# Altium PCB FIT_TDC_ADC.PcbDoc (part 2 of 10)
Units mm, origin at the board's own origin, x right, y up, seen from the top; angles counter-clockwise.
Board outline 89.38 x 69 mm, 8 copper layers (Top Layer, GND1, SIGNAL2, POWER3, POWER4, SIGNAL5, GND6, Bottom Layer), stack 1.028 mm thick; 495 components, 463 nets, 2013 pads, 1239 vias.
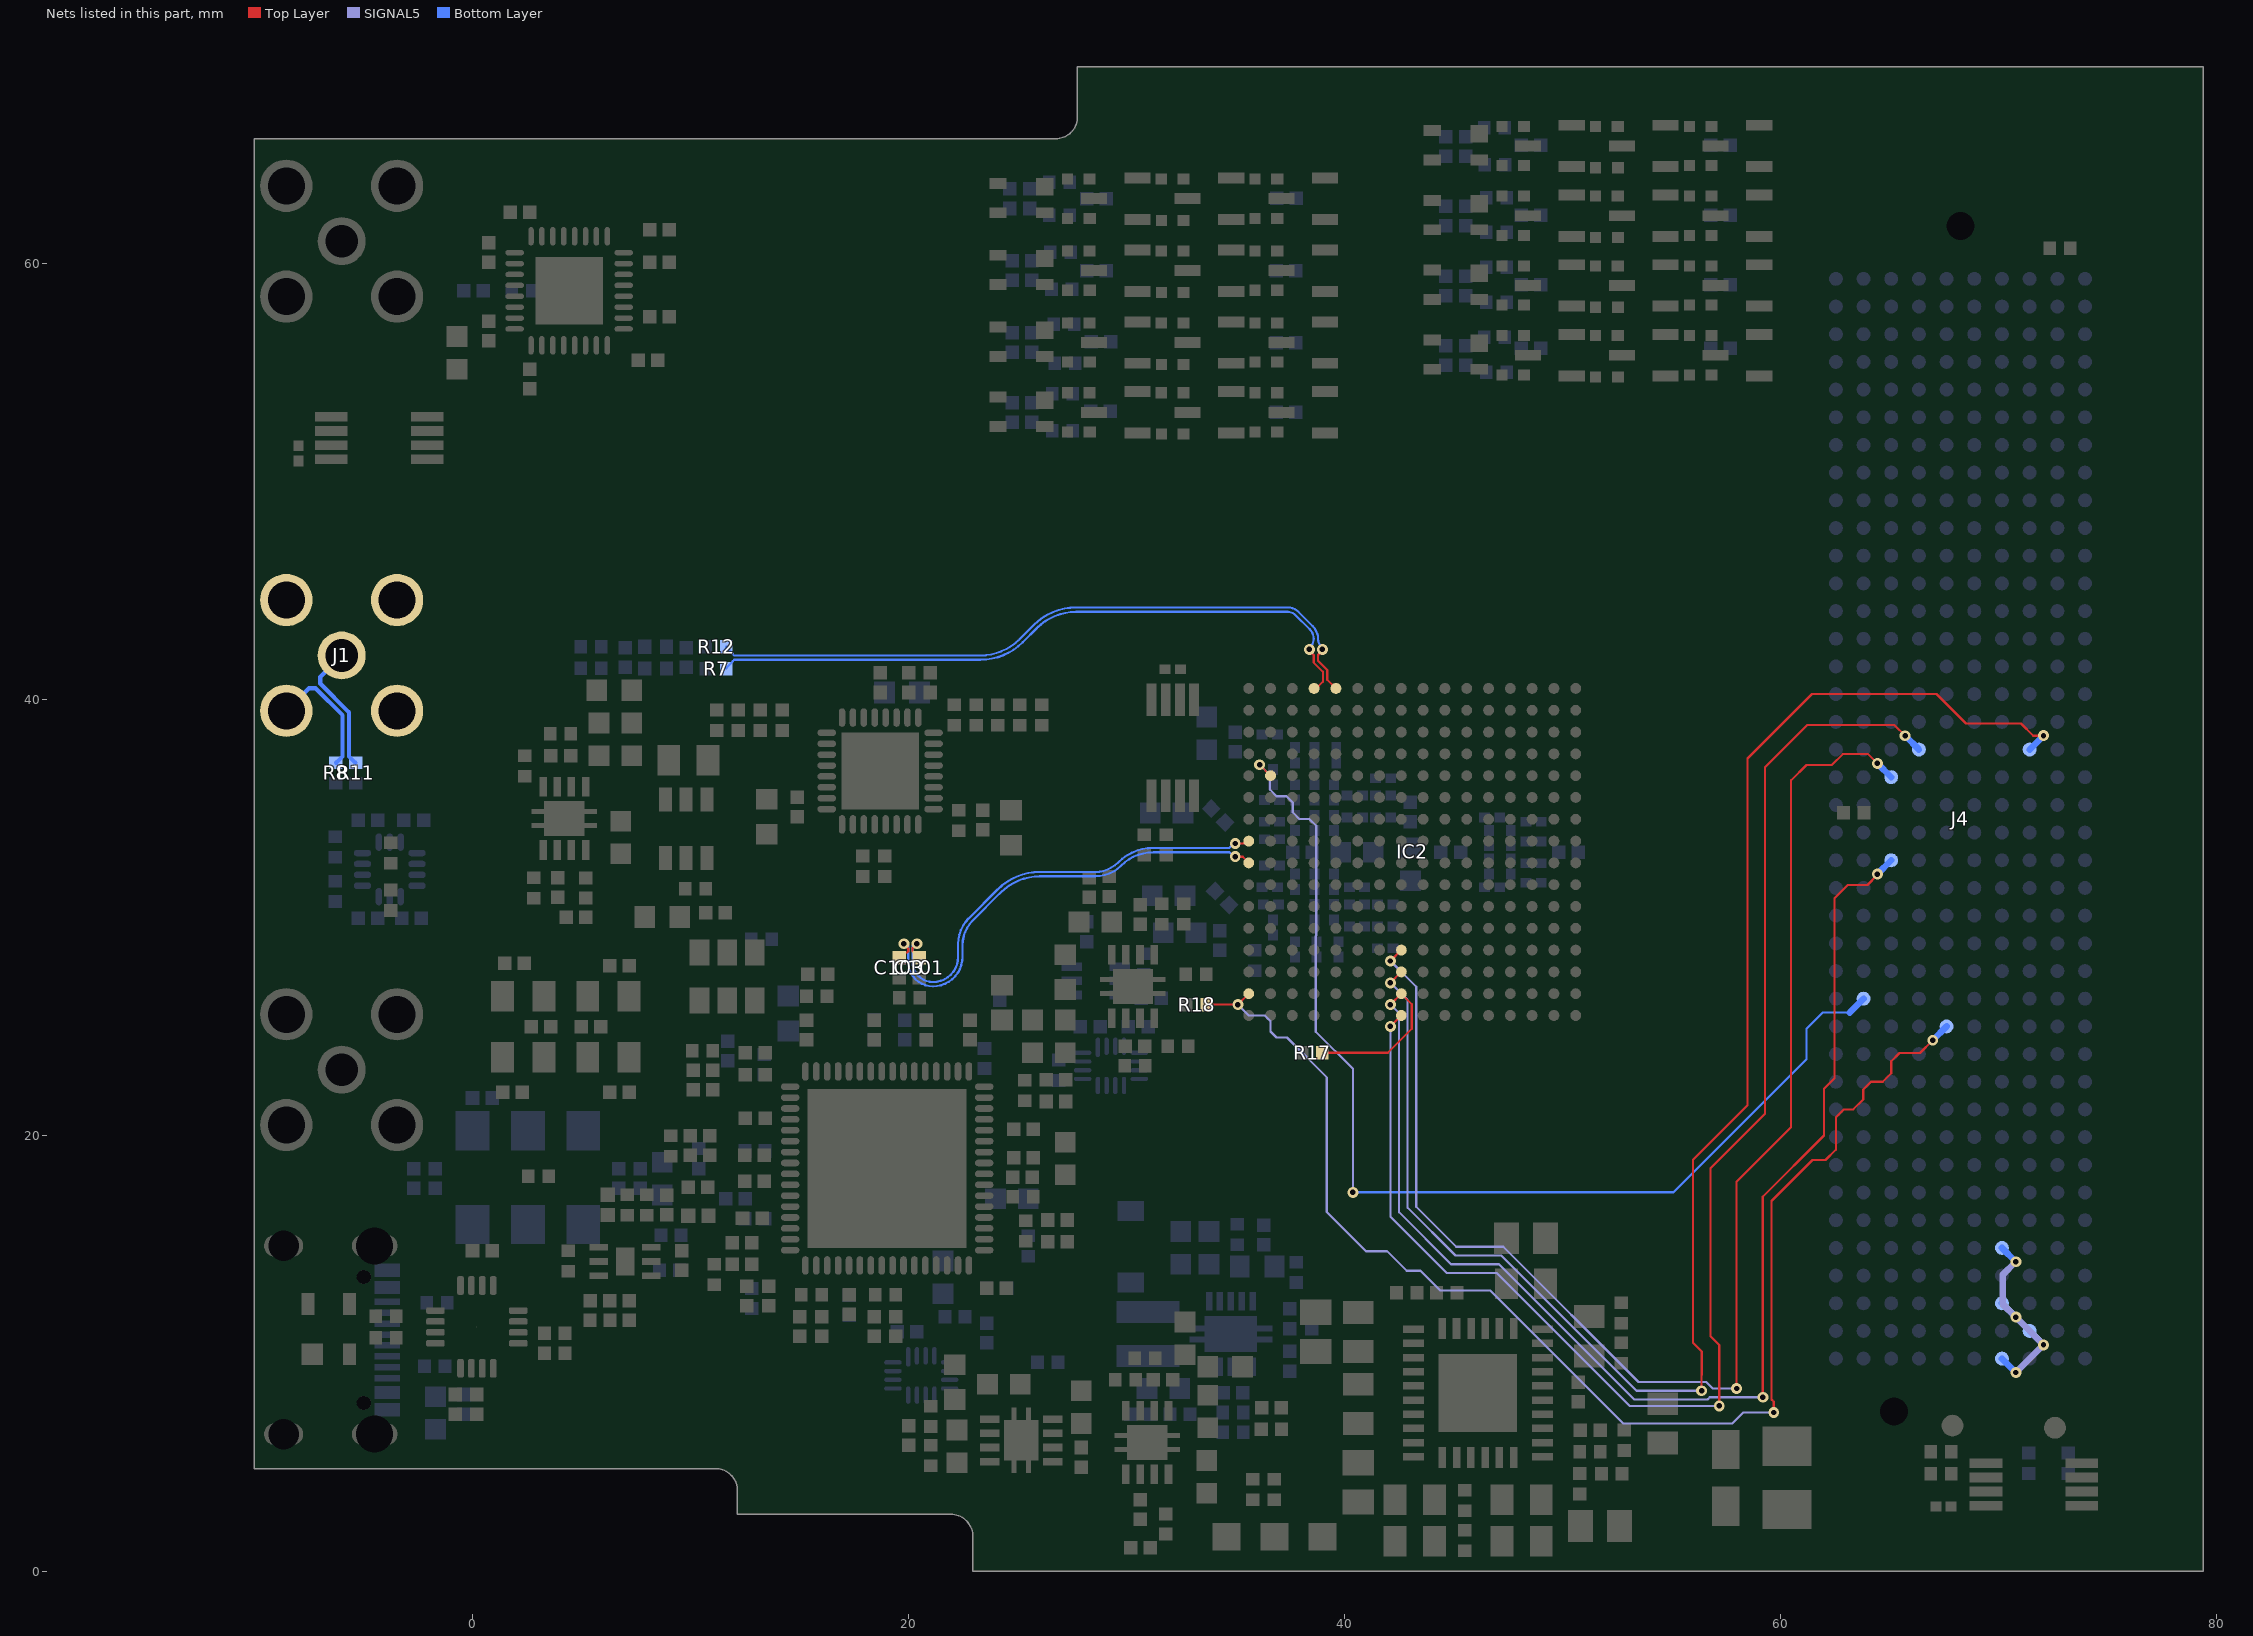
[diagram p8: the nets of this part, all layers, seen from the top]

## Footprints (in the part's own frame and the unit in brackets; to place one, negate y for a bottom-side part, rotate by r counter-clockwise, add the part's x,y. Pads: shape width x height; smd on the part's side, far side on the other; paste and mask are expansions set on the pad) (continued)
CAPC1608X87N [mm] "Chip Capacitor, Body 1.6x0.8mm IPC Medium Density"
  rect 0.95x1 smd: 1(-0.8,0) 2(0.8,0)
  body extent -0.87,-0.47 0.88,0.48, height 0.87
CAPC1608X90N [mm] "Chip Capacitor, Body 1.6x0.8mm IPC Medium Density"
  rect 0.95x0.95 smd: 1(-0.75,0) 2(0.75,0)
  body extent -0.85,-0.45 0.85,0.45, height 0.9
CAPC2012X135N [mm] "Chip Capacitor, Body 2.0x1.25mm, IPC Medium Density"
  rect 1.05x1.4 smd: 1(-0.9,0) 2(0.9,0)
  silkscreen extent 0,-0.58 0,0.58, body extent -1.05,-0.67 1.05,0.68, height 1.25
CAPMP3216X180N [mm] "Capacitor, Polarized, Molded  Body 3.2x1.6mm, IPC Medium Density"
  rect 1.8x1.25 smd: 1(-1.3,0) 2(1.3,0)
  silkscreen extent -2.4,-0.7 0,1.25, body extent -1.7,-0.9 1.7,0.9, height 1.6
CAPMP3528X210N [mm] "Capacitor, Polarized, Molded  Body 3.5x2.8mm, IPC Medium Density"
  rect 1.8x2.25 smd: 1(-1.45,0) 2(1.45,0)
  silkscreen extent -2.52,-1.5 1.85,1.73, body extent -1.85,-1.5 1.85,1.5, height 2.1
FP-USB4105-GF-A-MFG [mm]
  rrect100% 1x2.1 hole 1.7 slot 0.6 at 0 deg paste-2539.97 mask+0: 1(-4.32,3.015) 2(4.32,3.015)
  rrect100% 1x1.8 hole 1.4 slot 0.6 at 0 deg paste-2539.97 mask+0: 3(-4.32,-1.165) 4(4.32,-1.165)
  rect 0.6x1.15 smd paste+0 mask+0: A1-B12(-3.2,3.59) A4-B9(-2.4,3.59) B1-A12(3.2,3.59) B4-A9(2.4,3.59)
  rect 0.3x1.15 smd paste+0 mask+0: A5(-1.25,3.59) A6(-0.25,3.59) A7(0.25,3.59) A8(1.25,3.59) B5(1.75,3.59) B6(0.75,3.59) B7(-0.75,3.59) B8(-1.75,3.59)
  round 0.65 hole 0.65 unplated paste-2539.97 mask+0: ""(-2.89,2.515) ""(2.89,2.515)
  silkscreen extent -4.86,-3.84 4.86,4.84, body extent -4.79,-3.76 4.79,3.77, height 3.26
IND_COILCRAFT_EPL3015 [mm] "SMD Inductor  Body Width 3.2mm Body Lenght 3.2mm Height 1.55mm, EPL3015 Series"
  rect 1x2.9 smd: 1(-1.015,0) 2(1.015,0)
  silkscreen extent -0.22,-1.6 0.21,1.6, body extent -1.6,-1.6 1.6,1.6, height 1.55
IND_MURATA_LQW15AN_00 [mm] "SMT inductor 0402, Body Width 0.50mm Body Lenght 1.00mm Height 0.6mm"
  rect 0.6x0.65 smd: 1(-0.5,0) 2(0.5,0)
  body extent -0.5,-0.25 0.5,0.25, height 0.6
INDC1005X55N [mm] "Chip Inductor, 2-Leads, EIA 0402, Metric 1005, Body 1x0.5mm, 0402IPC Medium Density"
  rect 0.6x0.62 smd: 1(-0.46,0) 2(0.46,0)
  body extent -0.52,-0.27 0.53,0.28, height 0.55
INDC1608X95N [mm] "Chip Inductor, 2-Leads, EIA 0603, Metric 1608, Body 1.6x0.8mm, IPC Medium Density"
  rect 0.95x1 smd: 1(-0.8,0) 2(0.8,0)
  body extent -0.87,-0.47 0.88,0.48, height 0.95
INDC2012X105N [mm] "Chip Inductor, EIA 0805, Metric 2012, Body 2.0x1.25mm, IPC Medium Density"
  rect 1.15x1.45 smd: 1(-0.9,0) 2(0.9,0)
  silkscreen extent 0,-0.6 0,0.6, body extent -1,-0.62 1,0.63, height 1.03
INDC2012X110N [mm] "Chip Inductor, EIA 0805, Metric 2012, Body 2.0x1.2mm, IPC Medium Density"
  rect 1.05x1.4 smd: 1(-0.95,0) 2(0.95,0)
  silkscreen extent 0,-0.53 0,0.53, body extent -1,-0.62 1,0.63, height 1.1
MPS_MPM54304GMN [mm] "MPS LGA-33 Case, 0.65mm Pitch, Rect. ; 32 Pin, 7.00mm L X 7.00mm W X 2.10mm H body (w/Thermal Tab 3.55 X 3.55mm)"
  rect 0.975x0.35 smd paste-2539.97 mask-0.025: 1(-2.963,1.633) 2(-2.963,0.983) 3(-2.963,0.325) 4(-2.963,-0.313) 5(-2.963,-0.983) 6(-2.963,-1.633) 17(2.963,-1.633) 18(2.963,-0.975) 19(2.963,-0.325) 20(2.963,0.325) 21(2.963,0.983) 22(2.963,1.633)
  rect 0.35x0.975 smd paste-2539.97 mask-0.025: 7(-2.925,-2.963) 8(-2.275,-2.963) 9(-1.625,-2.963) 10(-0.975,-2.963) 11(-0.325,-2.963) 12(0.325,-2.963) 13(0.975,-2.963) 14(1.625,-2.963) 15(2.275,-2.963) 16(2.925,-2.963) 23(2.925,2.963) 24(2.275,2.963) 25(1.625,2.963) 26(0.975,2.963) 27(0.325,2.963) 28(-0.325,2.963) 29(-0.975,2.963) 30(-1.625,2.963) 31(-2.275,2.963) 32(-2.925,2.963)
  rect 3.6x3.6 smd paste-2539.97 mask-0.25: 33(0,0)
  silkscreen extent -4.15,-3.5 3.5,3.5, body extent -3.5,-3.5 3.5,3.5, height 2.1
OSC_SI-TIME_SIT9121-C [mm] "SiT9121 Series Package C, Oscillators, Version 3.2mmx5mm, Pitch 1.27mm; 6 Pin"
  rect 1.2x0.9 smd: 1(-1.1,1.27) 2(-1.1,0) 3(-1.1,-1.27) 4(1.1,-1.27) 5(1.1,0) 6(1.1,1.27)
  silkscreen extent -2.44,-2.55 1.65,2.55, body extent -1.65,-2.55 1.65,2.55, height 0.8
OSCSC254P500X700X190-6N [mm] "Oscillator, side concave; 2.54mm pitch; 6 pin, 5.00mm L X 7.00mm W X 1.90mm H, IPC Medium Density"
  rect 1.8x1.55 smd: 1(-2.15,2.54) 2(-2.15,0) 3(-2.15,-2.54) 4(2.15,-2.54) 5(2.15,0) 6(2.15,2.54)
  silkscreen extent -3.02,-3.5 0.9,4.32, body extent -2.5,-3.5 2.5,3.5, height 2
QFN40P180X260X55-16N [mm] "QFN, 0.40mm Pitch, Rect.; 16 Pin, 2.60mm L X 1.80mm W X 0.55mm H Body, IPC Medium Density"
  oval 0.9x0.2 smd: 1(-0.85,0.6)
  oval 0.8x0.2 smd: 2(-0.9,0.2) 3(-0.9,-0.2) 4(-0.9,-0.6) 9(0.9,-0.6) 10(0.9,-0.2) 11(0.9,0.2) 12(0.9,0.6)
  oval 0.2x0.8 smd: 5(-0.6,-1.3) 6(-0.2,-1.3) 7(0.2,-1.3) 8(0.6,-1.3) 13(0.6,1.3) 14(0.2,1.3) 15(-0.2,1.3) 16(-0.6,1.3)
  silkscreen extent -2.02,0.47 -1.78,0.72, body extent -0.9,-1.3 0.9,1.3, height 0.55
QFN50P250X250X60-14N [mm] "QFN, 0.50mm Pitch, Square, 14 pin, 2.50mm L X 2.50mm W X 0.60mm H body, IPC Medium Density"
  oval 0.8x0.3 smd: 1(-1.25,0.5) 2(-1.25,0) 3(-1.25,-0.5) 8(1.25,-0.5) 9(1.25,0) 10(1.25,0.5)
  oval 0.3x0.8 smd: 4(-0.75,-1.25) 5(-0.25,-1.25) 6(0.25,-1.25) 7(0.75,-1.25) 11(0.75,1.25) 12(0.25,1.25) 13(-0.25,1.25) 14(-0.75,1.25)
  silkscreen extent -2.37,-1.25 1.25,1.25, body extent -1.3,-1.3 1.3,1.3, height 0.6
QFN50P400X400X80_HS-17N [mm] "QFN, 16-Leads, Body 4,00x4,00mm, Pitch 0,50mm, Thermal Pad 2,08x2,08mm, IPC Medium Density"
  rrect50% 0.85x0.3 smd mask+0.05: 1(-1.9,0.75) 2(-1.9,0.25) 3(-1.9,-0.25) 4(-1.9,-0.75) 9(1.9,-0.75) 10(1.9,-0.25) 11(1.9,0.25) 12(1.9,0.75)
  rrect50% 0.3x0.85 smd mask+0.05: 5(-0.75,-1.9) 6(-0.25,-1.9) 7(0.25,-1.9) 8(0.75,-1.9) 13(0.75,1.9) 14(0.25,1.9) 15(-0.25,1.9) 16(-0.75,1.9)
  round 0.025 smd paste-0.4 mask+0.05: 17(0,0)
  Top Layer region: 1.04,-1.04 -1.04,-1.04 -1.04,0.832 -0.832,1.04 1.04,1.04
  silkscreen extent -2.92,-2.15 2.15,2.15, body extent -2.01,-2.01 2.01,2.01, height 0.8
QFN50P500X500X80-33N-S355 [mm] "QFN, (MO-220WHHD-X) 0.50mm Pitch, Square; 8 pin X 8 pin, 5mm X 5mm X 0.8mm H body (w/thermal tab 3.55 X 3.55mm),  IPC Medium Density"
  oval 0.85x0.3 smd: 1(-2.45,1.75) 2(-2.45,1.25) 3(-2.45,0.75) 4(-2.45,0.25) 5(-2.45,-0.25) 6(-2.45,-0.75) 7(-2.45,-1.25) 8(-2.45,-1.75) 17(2.45,-1.75) 18(2.45,-1.25) 19(2.45,-0.75) 20(2.45,-0.25) 21(2.45,0.25) 22(2.45,0.75) 23(2.45,1.25) 24(2.45,1.75)
  oval 0.3x0.85 smd: 9(-1.75,-2.45) 10(-1.25,-2.45) 11(-0.75,-2.45) 12(-0.25,-2.45) 13(0.25,-2.45) 14(0.75,-2.45) 15(1.25,-2.45) 16(1.75,-2.45) 25(1.75,2.45) 26(1.25,2.45) 27(0.75,2.45) 28(0.25,2.45) 29(-0.25,2.45) 30(-0.75,2.45) 31(-1.25,2.45) 32(-1.75,2.45)
  rect 3.55x3.55 smd: 33(0,0)
  silkscreen extent -3.57,-2.5 2.5,2.5, body extent -2.5,-2.5 2.5,2.5, height 0.8
QFN50P500X500X90_HS-33N [mm] "QFN, 32-Leads, Body 5,00x5,00mm, Pitch 0,50mm, Thermal Pad 3,10x3,10mm, IPC Medium Density"
  oval 0.85x0.25 smd: 1(-2.5,1.75) 2(-2.5,1.25) 3(-2.5,0.75) 4(-2.5,0.25) 5(-2.5,-0.25) 6(-2.5,-0.75) 7(-2.5,-1.25) 8(-2.5,-1.75) 17(2.5,-1.75) 18(2.5,-1.25) 19(2.5,-0.75) 20(2.5,-0.25) 21(2.5,0.25) 22(2.5,0.75) 23(2.5,1.25) 24(2.5,1.75)
  oval 0.25x0.85 smd: 9(-1.75,-2.5) 10(-1.25,-2.5) 11(-0.75,-2.5) 12(-0.25,-2.5) 13(0.25,-2.5) 14(0.75,-2.5) 15(1.25,-2.5) 16(1.75,-2.5) 25(1.75,2.5) 26(1.25,2.5) 27(0.75,2.5) 28(0.25,2.5) 29(-0.25,2.5) 30(-0.75,2.5) 31(-1.25,2.5) 32(-1.75,2.5)
  rect 3.1x3.1 smd: 33(0,0)
  silkscreen extent -3.42,-2.65 2.65,2.65, body extent -2.51,-2.51 2.51,2.51, height 0.9
QFN50P900X900X80-65N-S730 [mm] "QFN, 0.50mm Pitch, Square; 64 Pin, 9.00mm L X 9.00mm W X 0.80mm H Body (7.30mm X 7.30mm Thermal Tab), IPC Medium Density"
  oval 0.85x0.3 smd: 1(-4.45,3.75) 2(-4.45,3.25) 3(-4.45,2.75) 4(-4.45,2.25) 5(-4.45,1.75) 6(-4.45,1.25) 7(-4.45,0.75) 8(-4.45,0.25) 9(-4.45,-0.25) 10(-4.45,-0.75) 11(-4.45,-1.25) 12(-4.45,-1.75) 13(-4.45,-2.25) 14(-4.45,-2.75) 15(-4.45,-3.25) 16(-4.45,-3.75) 33(4.45,-3.75) 34(4.45,-3.25) 35(4.45,-2.75) 36(4.45,-2.25) 37(4.45,-1.75) 38(4.45,-1.25) 39(4.45,-0.75) 40(4.45,-0.25) 41(4.45,0.25) 42(4.45,0.75) 43(4.45,1.25) 44(4.45,1.75) 45(4.45,2.25) 46(4.45,2.75) 47(4.45,3.25) 48(4.45,3.75)
  oval 0.3x0.85 smd: 17(-3.75,-4.45) 18(-3.25,-4.45) 19(-2.75,-4.45) 20(-2.25,-4.45) 21(-1.75,-4.45) 22(-1.25,-4.45) 23(-0.75,-4.45) 24(-0.25,-4.45) 25(0.25,-4.45) 26(0.75,-4.45) 27(1.25,-4.45) 28(1.75,-4.45) 29(2.25,-4.45) 30(2.75,-4.45) 31(3.25,-4.45) 32(3.75,-4.45) 49(3.75,4.45) 50(3.25,4.45) 51(2.75,4.45) 52(2.25,4.45) 53(1.75,4.45) 54(1.25,4.45) 55(0.75,4.45) 56(0.25,4.45) 57(-0.25,4.45) 58(-0.75,4.45) 59(-1.25,4.45) 60(-1.75,4.45) 61(-2.25,4.45) 62(-2.75,4.45) 63(-3.25,4.45) 64(-3.75,4.45)
  rect 7.3x7.3 smd: 65(0,0)
  silkscreen extent -5.58,-4.5 4.5,4.5, body extent -4.5,-4.5 4.5,4.5, height 0.8
R0402 [mil]
  rect 20x20 smd: 1(-20,0)
  rect 22x20 smd: 2(20,0)
  silkscreen extent -40,-20 40,20, body extent -20,-12 19,12, height 8
RESC1005X40N [mm] "Chip Resistor, EIA 0402, Metric 1005, Body 1.0x0.5mm, IPC Medium Density"
  rect 0.58x0.62 smd: 1(-0.47,0) 2(0.47,0)
  body extent -0.52,-0.27 0.53,0.28, height 0.4
RESC1608X55N [mm] "Chip Resistor, EIA 0603, Metric 1608, Body 1.6x0.8mm, IPC Medium Density"
  rect 0.9x1 smd: 1(-0.8,0) 2(0.8,0)
  body extent -0.87,-0.47 0.88,0.48, height 0.55
SAMTEC_ASP-134488-01 [mm] "Connector VITA 57, 400 Male contacts in 10 row abcdefghj"
  round 0.5 hole 1.3 unplated mask+0.4: 1(-27.191,-3.048) 2(27.191,0)
  round 0.64 smd paste+0.125: a1(24.765,5.715) a2(23.495,5.715) a3(22.225,5.715) a4(20.955,5.715) a5(19.685,5.715) a6(18.415,5.715) a7(17.145,5.715) a8(15.875,5.715) a9(14.605,5.715) a10(13.335,5.715) a11(12.065,5.715) a12(10.795,5.715) a13(9.525,5.715) a14(8.255,5.715) a15(6.985,5.715) a16(5.715,5.715) a17(4.445,5.715) a18(3.175,5.715) a19(1.905,5.715) a20(0.635,5.715) a21(-0.635,5.715) a22(-1.905,5.715) a23(-3.175,5.715) a24(-4.445,5.715) a25(-5.715,5.715) a26(-6.985,5.715) a27(-8.255,5.715) a28(-9.525,5.715) a29(-10.795,5.715) a30(-12.065,5.715) a31(-13.335,5.715) a32(-14.605,5.715) a33(-15.875,5.715) a34(-17.145,5.715) a35(-18.415,5.715) a36(-19.685,5.715) a37(-20.955,5.715) a38(-22.225,5.715) a39(-23.495,5.715) a40(-24.765,5.715) b1(24.765,4.445) b2(23.495,4.445) b3(22.225,4.445) b4(20.955,4.445) b5(19.685,4.445) b6(18.415,4.445) b7(17.145,4.445) b8(15.875,4.445) b9(14.605,4.445) b10(13.335,4.445) b11(12.065,4.445) b12(10.795,4.445) b13(9.525,4.445) b14(8.255,4.445) b15(6.985,4.445) b16(5.715,4.445) b17(4.445,4.445) b18(3.175,4.445) b19(1.905,4.445) b20(0.635,4.445) b21(-0.635,4.445) b22(-1.905,4.445) b23(-3.175,4.445) b24(-4.445,4.445) b25(-5.715,4.445) b26(-6.985,4.445) b27(-8.255,4.445) b28(-9.525,4.445) b29(-10.795,4.445) b30(-12.065,4.445) b31(-13.335,4.445) b32(-14.605,4.445) b33(-15.875,4.445) b34(-17.145,4.445) b35(-18.415,4.445) b36(-19.685,4.445) b37(-20.955,4.445) b38(-22.225,4.445) b39(-23.495,4.445) b40(-24.765,4.445) c1(24.765,3.175) c2(23.495,3.175) c3(22.225,3.175) c4(20.955,3.175) c5(19.685,3.175) c6(18.415,3.175) c7(17.145,3.175) c8(15.875,3.175) c9(14.605,3.175) c10(13.335,3.175) c11(12.065,3.175) c12(10.795,3.175) c13(9.525,3.175) c14(8.255,3.175) c15(6.985,3.175) c16(5.715,3.175) c17(4.445,3.175) c18(3.175,3.175) c19(1.905,3.175) c20(0.635,3.175) c21(-0.635,3.175) c22(-1.905,3.175) c23(-3.175,3.175) c24(-4.445,3.175) c25(-5.715,3.175) c26(-6.985,3.175) c27(-8.255,3.175) c28(-9.525,3.175) c29(-10.795,3.175) c30(-12.065,3.175) c31(-13.335,3.175) c32(-14.605,3.175) c33(-15.875,3.175) c34(-17.145,3.175) c35(-18.415,3.175) c36(-19.685,3.175) c37(-20.955,3.175) c38(-22.225,3.175) c39(-23.495,3.175) c40(-24.765,3.175) d1(24.765,1.905) d2(23.495,1.905) d3(22.225,1.905) d4(20.955,1.905) d5(19.685,1.905) d6(18.415,1.905) d7(17.145,1.905) d8(15.875,1.905) d9(14.605,1.905) d10(13.335,1.905) d11(12.065,1.905) d12(10.795,1.905) d13(9.525,1.905) d14(8.255,1.905) d15(6.985,1.905) d16(5.715,1.905) d17(4.445,1.905) d18(3.175,1.905) d19(1.905,1.905) d20(0.635,1.905) d21(-0.635,1.905) d22(-1.905,1.905) d23(-3.175,1.905) d24(-4.445,1.905) d25(-5.715,1.905) d26(-6.985,1.905) d27(-8.255,1.905) d28(-9.525,1.905) d29(-10.795,1.905) d30(-12.065,1.905) d31(-13.335,1.905) d32(-14.605,1.905) d33(-15.875,1.905) d34(-17.145,1.905) d35(-18.415,1.905) d36(-19.685,1.905) d37(-20.955,1.905) d38(-22.225,1.905) d39(-23.495,1.905) d40(-24.765,1.905) e1(24.765,0.635) e2(23.495,0.635) e3(22.225,0.635) e4(20.955,0.635) e5(19.685,0.635) e6(18.415,0.635) e7(17.145,0.635) e8(15.875,0.635) e9(14.605,0.635) e10(13.335,0.635) e11(12.065,0.635) e12(10.795,0.635) e13(9.525,0.635) e14(8.255,0.635) e15(6.985,0.635) e16(5.715,0.635) e17(4.445,0.635) e18(3.175,0.635) e19(1.905,0.635) e20(0.635,0.635) e21(-0.635,0.635) e22(-1.905,0.635) e23(-3.175,0.635) e24(-4.445,0.635) e25(-5.715,0.635) e26(-6.985,0.635) e27(-8.255,0.635) e28(-9.525,0.635) e29(-10.795,0.635) e30(-12.065,0.635) e31(-13.335,0.635) e32(-14.605,0.635) e33(-15.875,0.635) e34(-17.145,0.635) e35(-18.415,0.635) e36(-19.685,0.635) e37(-20.955,0.635) e38(-22.225,0.635) e39(-23.495,0.635) e40(-24.765,0.635) f1(24.765,-0.635) f2(23.495,-0.635) f3(22.225,-0.635) f4(20.955,-0.635) f5(19.685,-0.635) f6(18.415,-0.635) f7(17.145,-0.635) f8(15.875,-0.635) f9(14.605,-0.635) f10(13.335,-0.635) f11(12.065,-0.635) f12(10.795,-0.635) f13(9.525,-0.635) f14(8.255,-0.635) f15(6.985,-0.635) f16(5.715,-0.635) f17(4.445,-0.635) f18(3.175,-0.635) f19(1.905,-0.635) f20(0.635,-0.635) f21(-0.635,-0.635) f22(-1.905,-0.635) f23(-3.175,-0.635) f24(-4.445,-0.635) f25(-5.715,-0.635) f26(-6.985,-0.635) f27(-8.255,-0.635) f28(-9.525,-0.635) f29(-10.795,-0.635) f30(-12.065,-0.635) f31(-13.335,-0.635) f32(-14.605,-0.635) f33(-15.875,-0.635) f34(-17.145,-0.635) f35(-18.415,-0.635) f36(-19.685,-0.635) f37(-20.955,-0.635) f38(-22.225,-0.635) f39(-23.495,-0.635) f40(-24.765,-0.635) g1(24.765,-1.905) g2(23.495,-1.905) g3(22.225,-1.905) g4(20.955,-1.905) g5(19.685,-1.905) g6(18.415,-1.905) g7(17.145,-1.905) g8(15.875,-1.905) g9(14.605,-1.905) g10(13.335,-1.905) g11(12.065,-1.905) g12(10.795,-1.905) g13(9.525,-1.905) g14(8.255,-1.905) g15(6.985,-1.905) g16(5.715,-1.905) g17(4.445,-1.905) g18(3.175,-1.905) g19(1.905,-1.905) g20(0.635,-1.905) g21(-0.635,-1.905) g22(-1.905,-1.905) g23(-3.175,-1.905) g24(-4.445,-1.905) g25(-5.715,-1.905) g26(-6.985,-1.905) g27(-8.255,-1.905) g28(-9.525,-1.905) g29(-10.795,-1.905) g30(-12.065,-1.905) g31(-13.335,-1.905) g32(-14.605,-1.905) g33(-15.875,-1.905) g34(-17.145,-1.905) g35(-18.415,-1.905) g36(-19.685,-1.905) g37(-20.955,-1.905) g38(-22.225,-1.905) g39(-23.495,-1.905) g40(-24.765,-1.905) h1(24.765,-3.175) h2(23.495,-3.175) h3(22.225,-3.175) h4(20.955,-3.175) h5(19.685,-3.175) h6(18.415,-3.175) h7(17.145,-3.175) h8(15.875,-3.175) h9(14.605,-3.175) h10(13.335,-3.175) h11(12.065,-3.175) h12(10.795,-3.175) h13(9.525,-3.175) h14(8.255,-3.175) h15(6.985,-3.175) h16(5.715,-3.175) h17(4.445,-3.175) h18(3.175,-3.175) h19(1.905,-3.175) h20(0.635,-3.175) h21(-0.635,-3.175) h22(-1.905,-3.175) h23(-3.175,-3.175) h24(-4.445,-3.175) h25(-5.715,-3.175) h26(-6.985,-3.175) h27(-8.255,-3.175) h28(-9.525,-3.175) h29(-10.795,-3.175) h30(-12.065,-3.175) h31(-13.335,-3.175) h32(-14.605,-3.175) h33(-15.875,-3.175) h34(-17.145,-3.175) h35(-18.415,-3.175) h36(-19.685,-3.175) h37(-20.955,-3.175) h38(-22.225,-3.175) h39(-23.495,-3.175) h40(-24.765,-3.175) j1(24.765,-4.445) j2(23.495,-4.445) j3(22.225,-4.445) j4(20.955,-4.445) j5(19.685,-4.445) j6(18.415,-4.445) j7(17.145,-4.445) j8(15.875,-4.445) j9(14.605,-4.445) j10(13.335,-4.445) j11(12.065,-4.445) j12(10.795,-4.445) j13(9.525,-4.445) j14(8.255,-4.445) j15(6.985,-4.445) j16(5.715,-4.445) j17(4.445,-4.445) j18(3.175,-4.445) j19(1.905,-4.445) j20(0.635,-4.445) j21(-0.635,-4.445) j22(-1.905,-4.445) j23(-3.175,-4.445) j24(-4.445,-4.445) j25(-5.715,-4.445) j26(-6.985,-4.445) j27(-8.255,-4.445) j28(-9.525,-4.445) j29(-10.795,-4.445) j30(-12.065,-4.445) j31(-13.335,-4.445) j32(-14.605,-4.445) j33(-15.875,-4.445) j34(-17.145,-4.445) j35(-18.415,-4.445) j36(-19.685,-4.445) j37(-20.955,-4.445) j38(-22.225,-4.445) j39(-23.495,-4.445) j40(-24.765,-4.445) k1(24.765,-5.715) k2(23.495,-5.715) k3(22.225,-5.715) k4(20.955,-5.715) k5(19.685,-5.715) k6(18.415,-5.715) k7(17.145,-5.715) k8(15.875,-5.715) k9(14.605,-5.715) k10(13.335,-5.715) k11(12.065,-5.715) k12(10.795,-5.715) k13(9.525,-5.715) k14(8.255,-5.715) k15(6.985,-5.715) k16(5.715,-5.715) k17(4.445,-5.715) k18(3.175,-5.715) k19(1.905,-5.715) k20(0.635,-5.715) k21(-0.635,-5.715) k22(-1.905,-5.715) k23(-3.175,-5.715) k24(-4.445,-5.715) k25(-5.715,-5.715) k26(-6.985,-5.715) k27(-8.255,-5.715) k28(-9.525,-5.715) k29(-10.795,-5.715) k30(-12.065,-5.715) k31(-13.335,-5.715) k32(-14.605,-5.715) k33(-15.875,-5.715) k34(-17.145,-5.715) k35(-18.415,-5.715) k36(-19.685,-5.715) k37(-20.955,-5.715) k38(-22.225,-5.715) k39(-23.495,-5.715) k40(-24.765,-5.715)
  silkscreen extent -27.89,-7.34 28.78,7.34, body extent -27.89,-7.34 28.78,7.34, height 7.21
SAMTEC_SMA-J-P-H-RA-TH1 [mm] "50 Ohm SMA Right Angle PCB Jack"
  round 2.2 hole 1.5: 1(0,0)
  round 2.4 hole 1.7: 2(-2.54,-2.54) 2(-2.54,2.54) 2(2.54,-2.54) 2(2.54,2.54)
  silkscreen extent -3.5,-3.5 11.6,3.5, body extent -3.5,-3.5 11.6,3.5, height 9.86
SOD-123FL [mm] "Small Outline Diode Flat Lead (SOD-123FL), Body; 2.70mm L X 1.65mm W X 1.0mm H"
  rect 0.91x1.22 smd: 1(-1.64,0) 2(1.64,0)
  silkscreen extent -2.02,-0.91 1.45,1.28, body extent -1.75,-0.9 1.75,0.9, height 1
SON65P250X220X80-7N-R85X130 [mm] "SON, 0.65mm, Pitch; 6 Pin, 2.50mm W X 2.20mm L X 0.80mm H Body (W/Thermal Tab 0.75 X 1.2mm) (w/pullback leads), IPC Medium Density"
  rect 0.85x0.3 smd: 1(-1.2,0.65) 2(-1.2,0) 3(-1.2,-0.65) 4(1.2,-0.65) 5(1.2,0) 6(1.2,0.65)
  rect 0.85x1.3 smd: 7(0,0)
  silkscreen extent -2.23,-1.1 0.4,1.1, body extent -1.3,-1.15 1.3,1.15, height 0.8
SOP65P490X109-8N [mm] "SOP, 0.65mm pitch; 8 pin,3.00mm W X 3.00mm L X 1.09mm H bodyI, PC Medium Density"
  rect 1.5x0.45 smd: 1(-2.2,0.975) 2(-2.2,0.325) 3(-2.2,-0.325) 4(-2.2,-0.975) 5(2.2,-0.975) 6(2.2,-0.325) 7(2.2,0.325) 8(2.2,0.975)
  silkscreen extent -2.82,-1.5 1.12,1.82, body extent -2.45,-1.55 2.45,1.55, height 1.09
SOP65P490X110-8N [mm] "SOP, 0.65mm pitch; 8 pin, 3.00mm W X 3.00mm L X 1.10mm H body, IPC Medium Density"
  rect 1.5x0.45 smd: 1(-2.2,0.975) 2(-2.2,0.325) 3(-2.2,-0.325) 4(-2.2,-0.975) 5(2.2,-0.975) 6(2.2,-0.325) 7(2.2,0.325) 8(2.2,0.975)
  silkscreen extent -2.83,-1.5 1.12,1.82, body extent -2.45,-1.55 2.45,1.55, height 1.1
SOT23 [mm]
  rect 1.2x0.5 smd: 1(-1,0.95) 2(-1,-0.95) 3(1,0)
  silkscreen extent -1.13,-1.45 0.85,1.87, body extent -1.17,-1.45 1.25,1.45, height 0.98
SOT65P210X110-6N [mm] "SOT363, SC70-6, SOT, 0.65mm Pitch, 6 Pin, 1.25mm W X 2.00mm L X 1.10mm H, IPC Medium Density"
  rect 0.95x0.4 smd: 1(-1.1,0.65) 2(-1.1,0) 3(-1.1,-0.65) 4(1.1,-0.65) 5(1.1,0) 6(1.1,0.65)
  silkscreen extent -1.43,-1 0.3,1.47, body extent -1.2,-1.1 1.2,1.1, height 1.1
SOT95P280X110-6N [mm] "SOT, 0.95mm Pitch; 6 Pin, 1.60mm W X 2.90mm L X 1.10mm H Body, IPC Medium Density"